# KiCad board smd0402.kicad_pcb
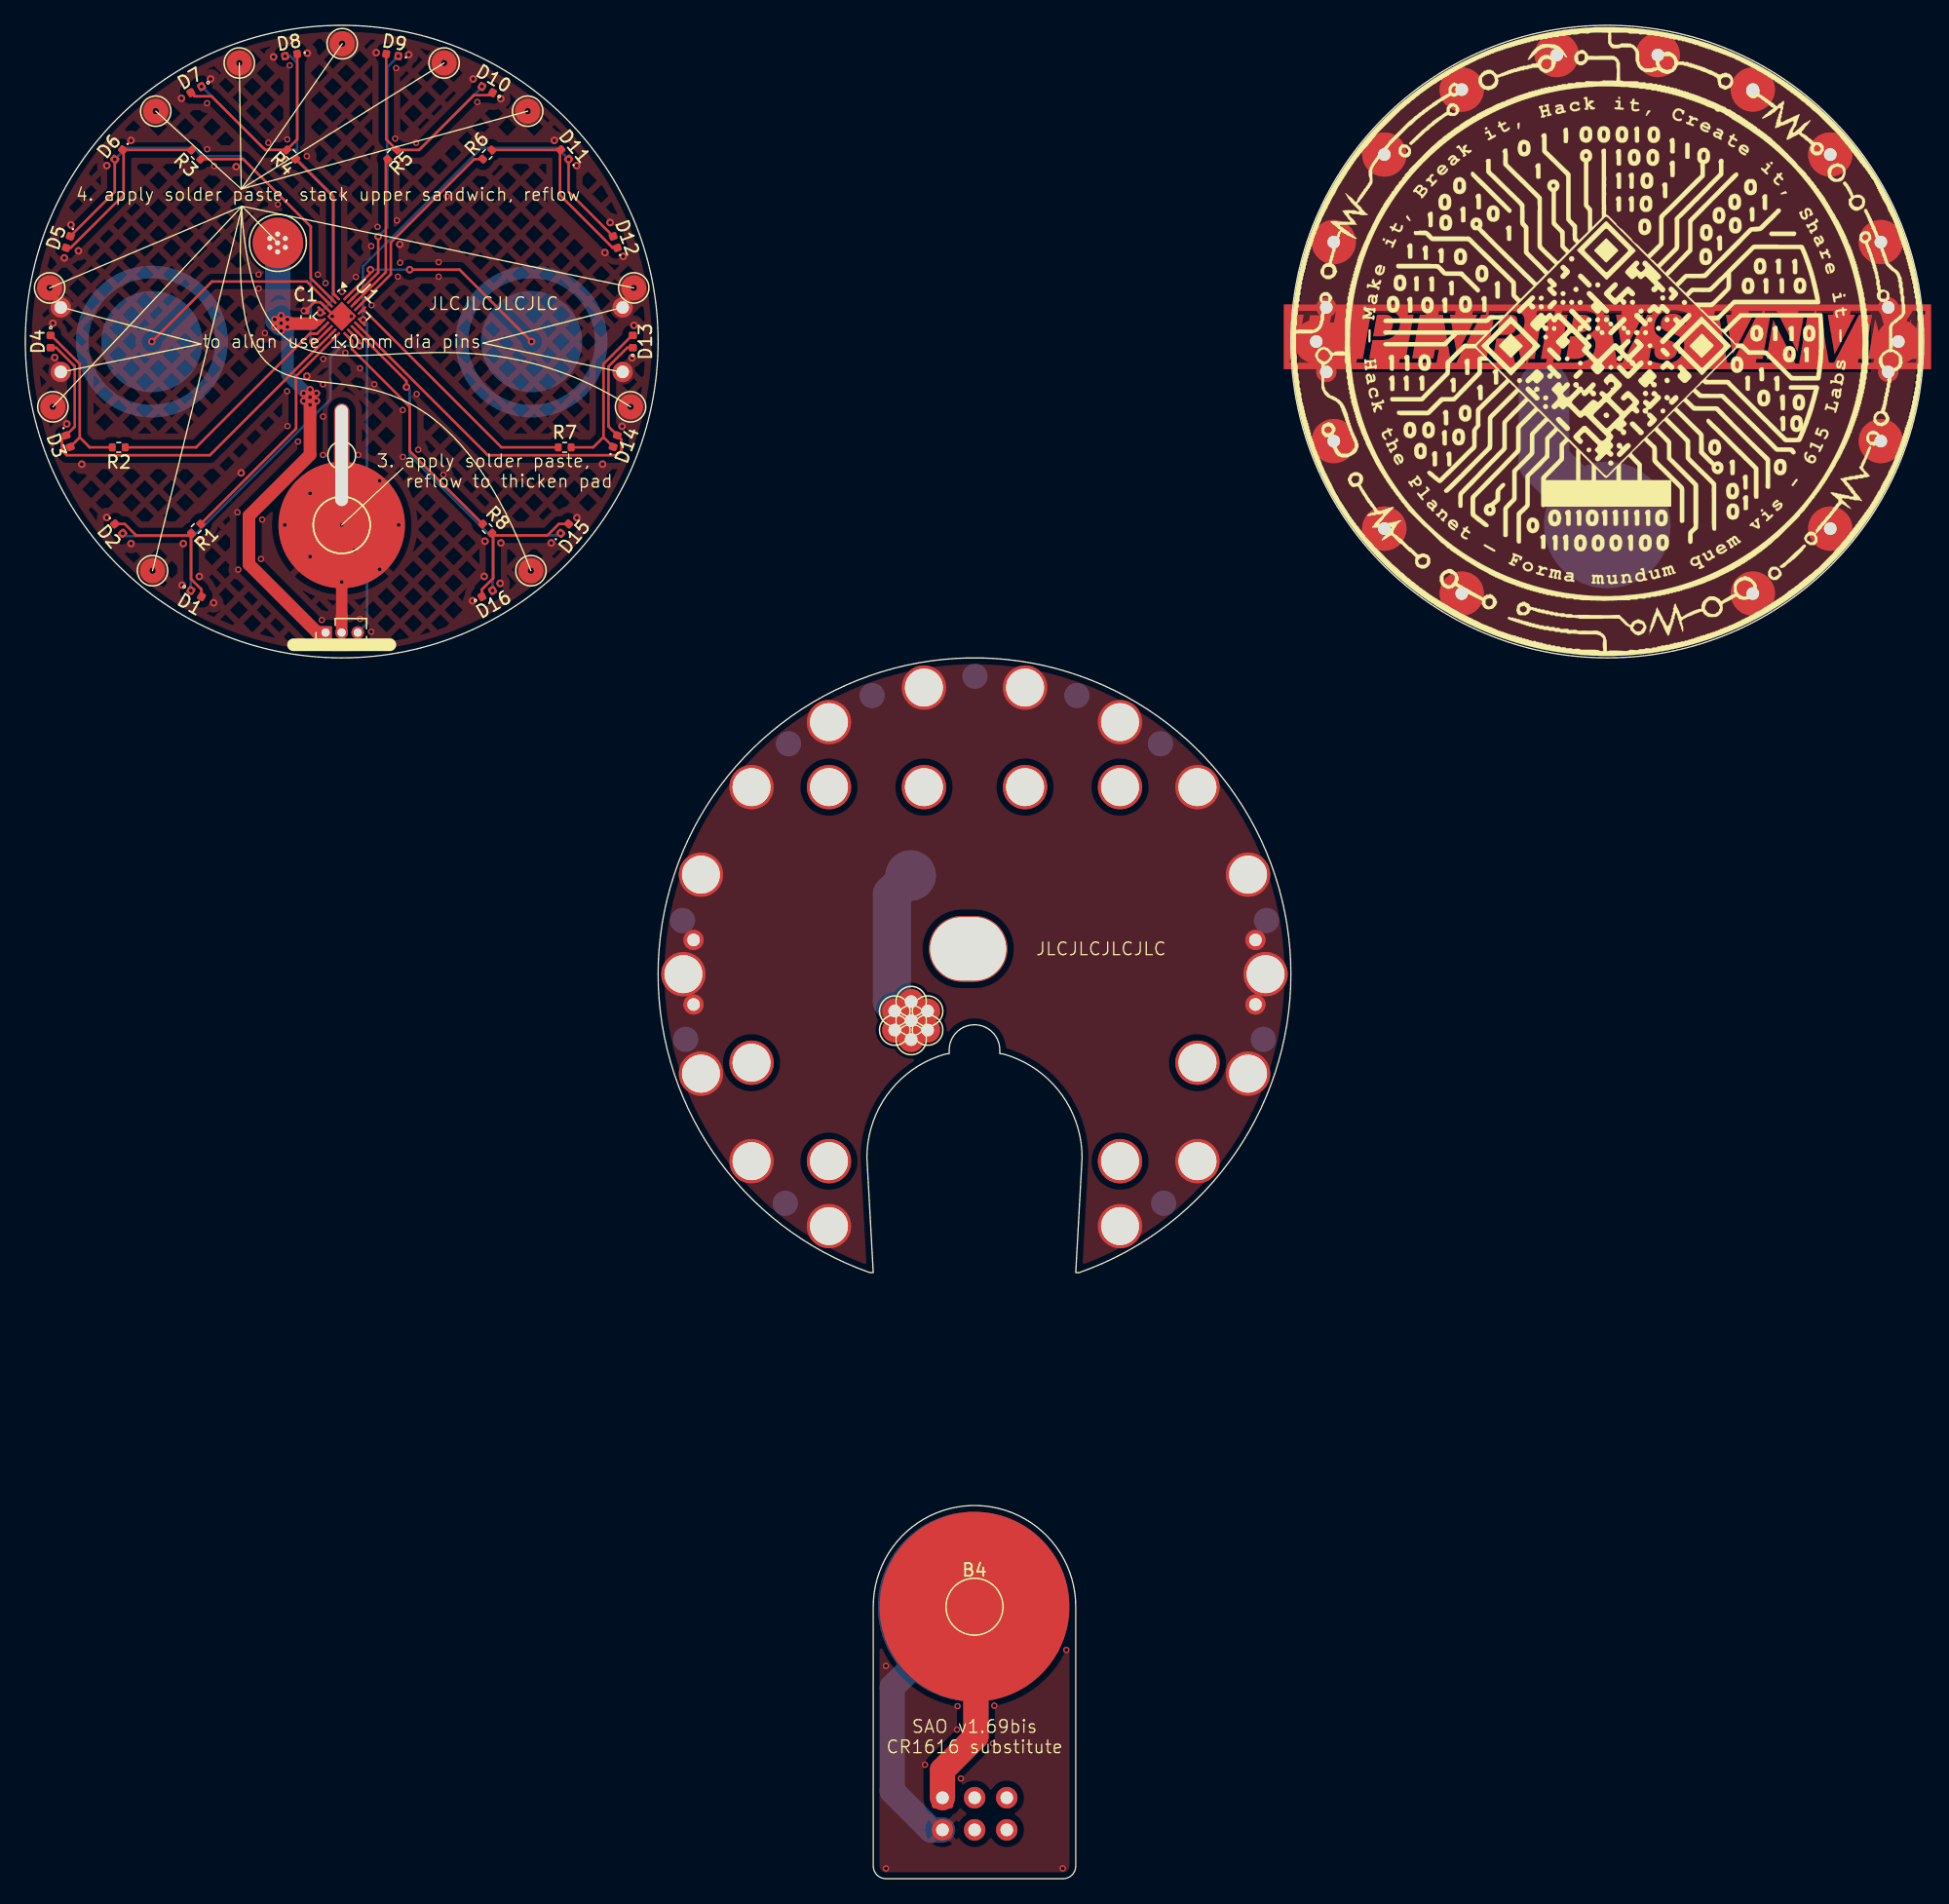
[diagram p0: board, top side]
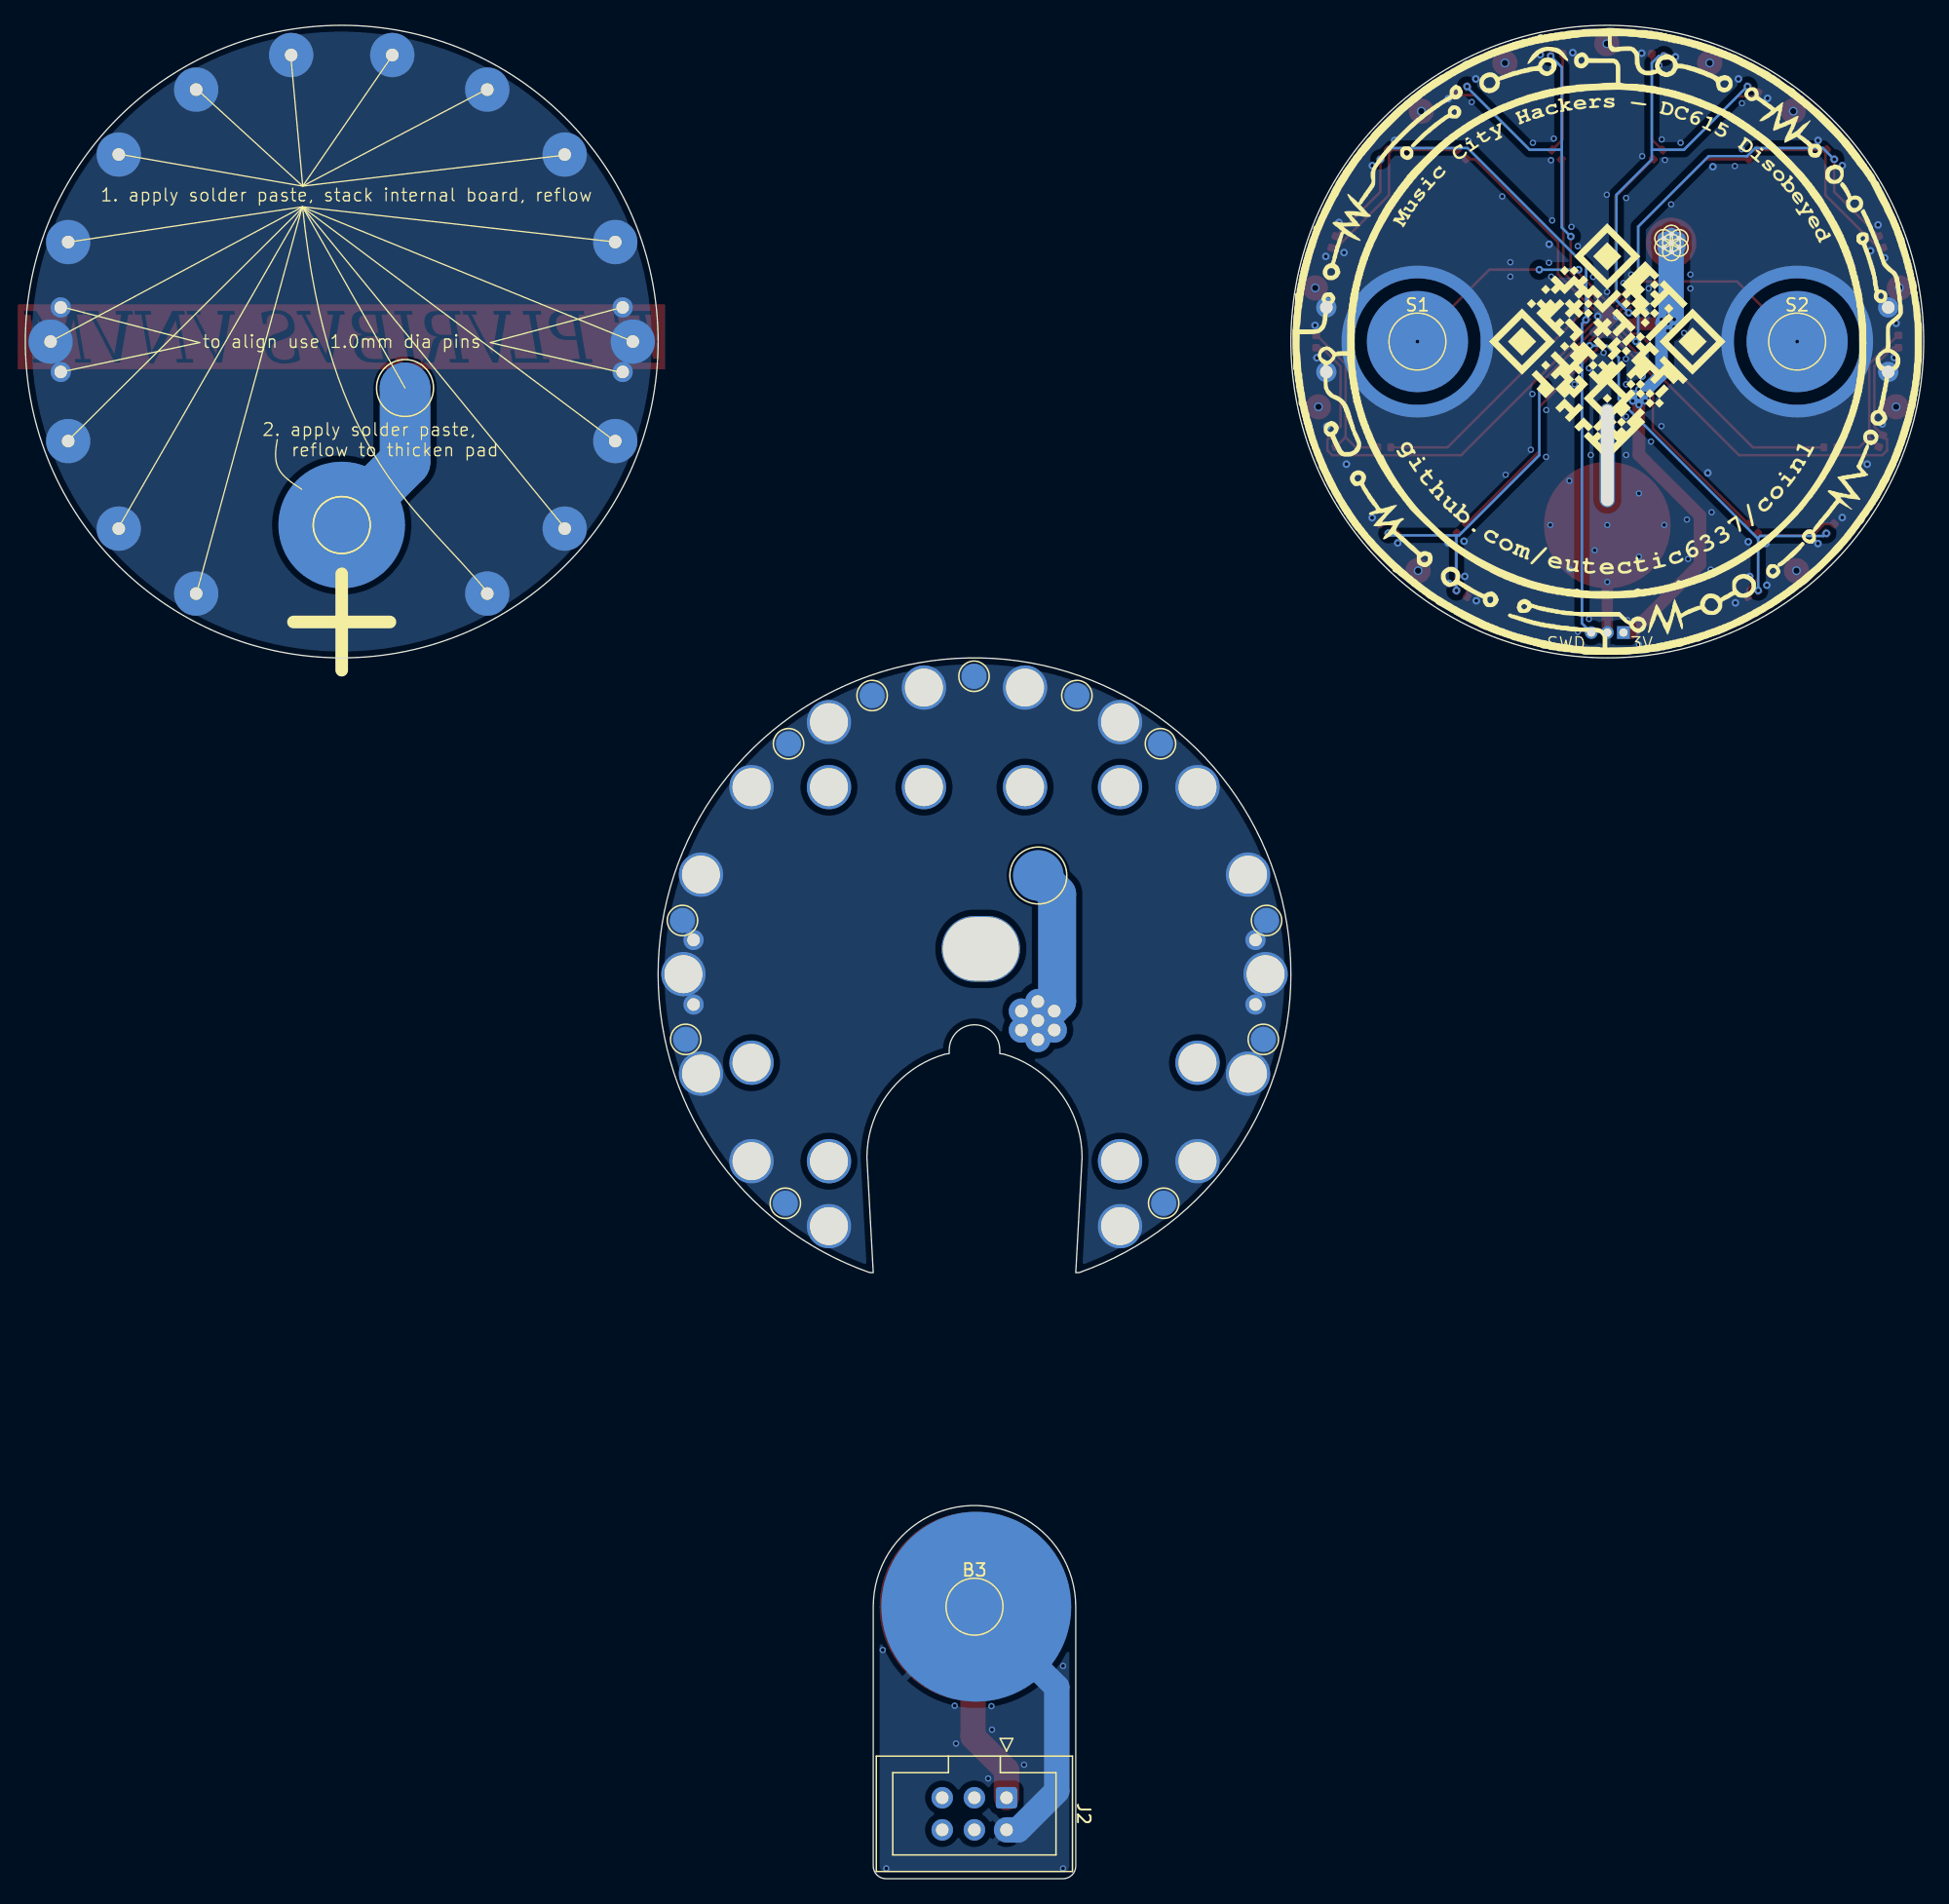
[diagram p1: board, bottom side, seen from below]

Outline 150 x 146.5 mm; copper layers: Top, Bottom. Coordinates in mm from the lower left corner of the outline.
Outline path: 74.16,29.46 74.72,29.5 75.28,29.5 75.84,29.46 76.39,29.38 76.94,29.26 77.47,29.11 78,28.92 78.51,28.69 79,28.43 79.47,28.13 79.93,27.8 80.35,27.45 80.75,27.06 81.13,26.64 81.47,26.2 81.78,25.74 82.06,25.26 82.31,24.75 82.52,24.24 82.69,23.71 82.83,23.16 82.92,22.61 82.98,22.06 83,21.5 83,1 82.98,0.8 82.92,0.62 82.83,0.44 82.71,0.29 82.56,0.17 82.38,0.08 82.2,0.02 82,0 68,0 67.8,0.02 67.62,0.08 67.44,0.17 67.29,0.29 67.17,0.44 67.08,0.62 67.02,0.8 67,1 67,21.5 67.02,22.06 67.08,22.61 67.17,23.16 67.31,23.71 67.48,24.24 67.69,24.75 67.94,25.26 68.22,25.74 68.53,26.2 68.87,26.64 69.25,27.06 69.65,27.45 70.07,27.8 70.53,28.13 71,28.43 71.49,28.69 72,28.92 72.53,29.11 73.06,29.26 73.61,29.38 closed ; 81.21,62.8 81.59,62.36 81.94,61.9 82.26,61.42 82.55,60.91 82.8,60.39 83.01,59.85 83.18,59.29 83.32,58.73 83.42,58.16 83.48,57.58 83.5,57 83,47.9 83.29,47.91 84.22,48.26 85.14,48.65 86.04,49.07 86.92,49.53 87.79,50.02 88.63,50.54 89.45,51.1 90.25,51.69 91.03,52.31 91.78,52.97 92.5,53.65 93.2,54.36 93.86,55.09 94.5,55.86 95.11,56.64 95.68,57.46 96.22,58.29 96.73,59.14 97.21,60.02 97.65,60.91 98.05,61.82 98.42,62.74 98.75,63.68 99.04,64.63 99.29,65.59 99.51,66.56 99.68,67.54 99.82,68.52 99.92,69.51 99.98,70.51 100,71.5 99.98,72.49 99.92,73.49 99.82,74.48 99.68,75.46 99.51,76.44 99.29,77.41 99.04,78.37 98.75,79.32 98.42,80.26 98.05,81.18 97.65,82.09 97.21,82.98 96.73,83.86 96.22,84.71 95.68,85.54 95.11,86.36 94.5,87.14 93.86,87.91 93.2,88.64 92.5,89.35 91.78,90.03 91.03,90.69 90.25,91.31 89.45,91.9 88.63,92.46 87.79,92.98 86.92,93.47 86.04,93.93 85.14,94.35 84.22,94.74 83.29,95.09 82.35,95.4 81.39,95.67 80.42,95.9 79.45,96.1 78.47,96.26 77.48,96.38 76.49,96.46 75.5,96.5 74.5,96.5 73.51,96.46 72.52,96.38 71.53,96.26 70.55,96.1 69.58,95.9 68.61,95.67 67.65,95.4 66.71,95.09 65.78,94.74 64.86,94.35 63.96,93.93 63.08,93.47 62.21,92.98 61.37,92.46 60.55,91.9 59.75,91.31 58.97,90.69 58.22,90.03 57.5,89.35 56.8,88.64 56.14,87.91 55.5,87.14 54.89,86.36 54.32,85.54 53.78,84.71 53.27,83.86 52.79,82.98 52.35,82.09 51.95,81.18 51.58,80.26 51.25,79.32 50.96,78.37 50.71,77.41 50.49,76.44 50.32,75.46 50.18,74.48 50.08,73.49 50.02,72.49 50,71.5 50.02,70.51 50.08,69.51 50.18,68.52 50.32,67.54 50.49,66.56 50.71,65.59 50.96,64.63 51.25,63.68 51.58,62.74 51.95,61.82 52.35,60.91 52.79,60.02 53.27,59.14 53.78,58.29 54.32,57.46 54.89,56.64 55.5,55.86 56.14,55.09 56.8,54.36 57.5,53.65 58.22,52.97 58.97,52.31 59.75,51.69 60.55,51.1 61.37,50.54 62.21,50.02 63.08,49.53 63.96,49.07 64.86,48.65 65.78,48.26 66.71,47.91 67,47.9 66.5,57 66.52,57.58 66.58,58.16 66.68,58.73 66.82,59.29 66.99,59.85 67.2,60.39 67.45,60.91 67.74,61.42 68.06,61.9 68.41,62.36 68.79,62.8 69.2,63.21 69.64,63.59 70.1,63.94 70.58,64.26 71.09,64.55 71.61,64.8 72.15,65.01 72.71,65.18 73,65.22 73,65.5 73.02,65.78 73.08,66.06 73.18,66.33 73.32,66.58 73.49,66.81 73.69,67.01 73.92,67.18 74.17,67.32 74.44,67.42 74.72,67.48 75,67.5 75.28,67.48 75.56,67.42 75.83,67.32 76.08,67.18 76.31,67.01 76.51,66.81 76.68,66.58 76.82,66.33 76.92,66.06 76.98,65.78 77,65.5 77,65.22 77.29,65.18 77.85,65.01 78.39,64.8 78.91,64.55 79.42,64.26 79.9,63.94 80.36,63.59 80.8,63.21 closed ; circle c25,121.5 r25 ; circle c125,121.5 r25

## Placement (name value [footprint] x y rotation side)
+  BAT+  [TestPoint_Pad_D4.0mm#2]  125 107 180 bottom  (not fitted)
-  BAT-  [TestPoint_Pad_D4.0mm#2]  25 107 0 top  (not fitted)
align-i1  -  [unnamed]  52.8 74.2 0 top  (not fitted)
align-i2  -  [unnamed]  97.2 74.2 0 top  (not fitted)
align-i3  -  [unnamed]  52.8 69.1 0 top  (not fitted)
align-i4  -  [unnamed]  97.2 69.1 0 top  (not fitted)
align-o1  -  [unnamed]  102.8 124.2 0 top  (not fitted)
align-o2  -  [unnamed]  147.2 124.2 0 top  (not fitted)
align-o3  -  [unnamed]  102.8 119.1 0 top  (not fitted)
align-o4  -  [unnamed]  147.2 119.1 0 top  (not fitted)
align-r1  -  [unnamed]  2.8 124.2 0 top  (not fitted)
align-r2  -  [unnamed]  47.2 124.2 0 top  (not fitted)
align-r3  -  [unnamed]  2.8 119.1 0 top  (not fitted)
align-r4  -  [unnamed]  47.2 119.1 0 top  (not fitted)
aperture-D1  -  [TestPoint_THTPad_D1.0mm_Drill0.5mm]  113.5 101.58 0 top  (not fitted)
aperture-D2  -  [TestPoint_THTPad_D1.0mm_Drill0.5mm]  107.38 106.72 0 top  (not fitted)
aperture-D3  -  [TestPoint_THTPad_D1.0mm_Drill0.5mm]  103.39 113.63 0 top  (not fitted)
aperture-D4  -  [TestPoint_THTPad_D1.0mm_Drill0.5mm]  102 121.5 0 top  (not fitted)
aperture-D5  -  [TestPoint_THTPad_D1.0mm_Drill0.5mm]  103.39 129.37 0 top  (not fitted)
aperture-D6  -  [TestPoint_THTPad_D1.0mm_Drill0.5mm]  107.38 136.28 0 top  (not fitted)
aperture-D7  -  [TestPoint_THTPad_D1.0mm_Drill0.5mm]  113.5 141.42 0 top  (not fitted)
aperture-D8  -  [TestPoint_THTPad_D1.0mm_Drill0.5mm]  121.01 144.15 0 top  (not fitted)
aperture-D9  -  [TestPoint_THTPad_D1.0mm_Drill0.5mm]  128.99 144.15 0 top  (not fitted)
aperture-D10  -  [TestPoint_THTPad_D1.0mm_Drill0.5mm]  136.5 141.42 0 top  (not fitted)
aperture-D11  -  [TestPoint_THTPad_D1.0mm_Drill0.5mm]  142.62 136.28 0 top  (not fitted)
aperture-D12  -  [TestPoint_THTPad_D1.0mm_Drill0.5mm]  146.61 129.37 0 top  (not fitted)
aperture-D13  -  [TestPoint_THTPad_D1.0mm_Drill0.5mm]  148 121.5 0 top  (not fitted)
aperture-D14  -  [TestPoint_THTPad_D1.0mm_Drill0.5mm]  146.61 113.63 0 top  (not fitted)
aperture-D15  -  [TestPoint_THTPad_D1.0mm_Drill0.5mm]  142.62 106.72 0 top  (not fitted)
aperture-D16  -  [TestPoint_THTPad_D1.0mm_Drill0.5mm]  136.5 101.58 0 top  (not fitted)
B1  BAT-  [TestPoint_Pad_D4.0mm]  25 107 0 top  (not fitted)
B2  BAT+  [TestPoint_Pad_D4.0mm]  125 107 180 bottom  (not fitted)
B3  BAT-  [TestPoint_Pad_D4.0mm]  75 21.5 180 bottom  (not fitted)
B4  BAT+  [TestPoint_Pad_D4.0mm]  75 21.5 0 top  (not fitted)
battery-eject1  TestPoint_THTPad_3.0x3.0mm_Drill1.5mm  [TestPoint_THTPad_3.0x3.0mm_Drill1.5mm#3]  25 112.5 0 top
C1  1uF  [C_0402_1005Metric]  22.15 123.45 90 top
clearance-D1  -  [TestPoint_THTPad_3.0x3.0mm_Drill1.5mm]  63.5 51.58 0 top  (not fitted)
clearance-D2  -  [TestPoint_THTPad_3.0x3.0mm_Drill1.5mm]  57.38 56.72 0 top  (not fitted)
clearance-D3  -  [TestPoint_THTPad_3.0x3.0mm_Drill1.5mm]  53.39 63.63 0 top  (not fitted)
clearance-D4  -  [TestPoint_THTPad_3.0x3.0mm_Drill1.5mm]  52 71.5 0 top  (not fitted)
clearance-D5  -  [TestPoint_THTPad_3.0x3.0mm_Drill1.5mm]  53.39 79.37 0 top  (not fitted)
clearance-D6  -  [TestPoint_THTPad_3.0x3.0mm_Drill1.5mm]  57.38 86.28 0 top  (not fitted)
clearance-D7  -  [TestPoint_THTPad_3.0x3.0mm_Drill1.5mm]  63.5 91.42 0 top  (not fitted)
clearance-D8  -  [TestPoint_THTPad_3.0x3.0mm_Drill1.5mm]  71.01 94.15 0 top  (not fitted)
clearance-D9  -  [TestPoint_THTPad_3.0x3.0mm_Drill1.5mm]  78.99 94.15 0 top  (not fitted)
clearance-D10  -  [TestPoint_THTPad_3.0x3.0mm_Drill1.5mm]  86.5 91.42 0 top  (not fitted)
clearance-D11  -  [TestPoint_THTPad_3.0x3.0mm_Drill1.5mm]  92.62 86.28 0 top  (not fitted)
clearance-D12  -  [TestPoint_THTPad_3.0x3.0mm_Drill1.5mm]  96.61 79.37 0 top  (not fitted)
clearance-D13  -  [TestPoint_THTPad_3.0x3.0mm_Drill1.5mm]  98 71.5 0 top  (not fitted)
clearance-D14  -  [TestPoint_THTPad_3.0x3.0mm_Drill1.5mm]  96.61 63.63 0 top  (not fitted)
clearance-D15  -  [TestPoint_THTPad_3.0x3.0mm_Drill1.5mm]  92.62 56.72 0 top  (not fitted)
clearance-D16  -  [TestPoint_THTPad_3.0x3.0mm_Drill1.5mm]  86.5 51.58 0 top  (not fitted)
clearance-R1  TestPoint_THTPad_3.0x3.0mm_Drill1.5mm  [TestPoint_THTPad_3.0x3.0mm_Drill1.5mm#4]  63.5 56.72 0 top  (not fitted)
clearance-R2  TestPoint_THTPad_3.0x3.0mm_Drill1.5mm  [TestPoint_THTPad_3.0x3.0mm_Drill1.5mm#4]  57.38 64.5 0 top  (not fitted)
clearance-R3  TestPoint_THTPad_3.0x3.0mm_Drill1.5mm  [TestPoint_THTPad_3.0x3.0mm_Drill1.5mm#4]  63.5 86.28 0 top  (not fitted)
clearance-R4  TestPoint_THTPad_3.0x3.0mm_Drill1.5mm  [TestPoint_THTPad_3.0x3.0mm_Drill1.5mm#4]  71.01 86.28 0 top  (not fitted)
clearance-R5  TestPoint_THTPad_3.0x3.0mm_Drill1.5mm  [TestPoint_THTPad_3.0x3.0mm_Drill1.5mm#4]  78.99 86.28 0 top  (not fitted)
clearance-R6  TestPoint_THTPad_3.0x3.0mm_Drill1.5mm  [TestPoint_THTPad_3.0x3.0mm_Drill1.5mm#4]  86.5 86.28 0 top  (not fitted)
clearance-R7  TestPoint_THTPad_3.0x3.0mm_Drill1.5mm  [TestPoint_THTPad_3.0x3.0mm_Drill1.5mm#4]  92.62 64.5 0 top  (not fitted)
clearance-R8  TestPoint_THTPad_3.0x3.0mm_Drill1.5mm  [TestPoint_THTPad_3.0x3.0mm_Drill1.5mm#4]  86.5 56.72 0 top  (not fitted)
clearance-U1  TestPoint_THTPad_3.0x3.0mm_Drill1.5mm  [TestPoint_THTPad_3.0x3.0mm_Drill1.5mm#2]  74.5 73.5 0 top  (not fitted)
contact-i1  -  [TestPoint_Pad_D4.0mm]  69.96 79.3 180 bottom  (not fitted)
contact-o1  -  [TestPoint_Pad_D4.0mm]  120 117.83 180 bottom  (not fitted)
contact-r1  -  [TestPoint_Pad_D4.0mm]  19.96 129.3 180 top  (not fitted)
D1  LED  [LED_0402_1005Metric]  13.5 101.58 330 top
D2  LED  [LED_0402_1005Metric]  7.38 106.72 310 top
D3  LED  [LED_0402_1005Metric]  3.39 113.63 290 top
D4  LED  [LED_0402_1005Metric]  2 121.5 270 top
D5  LED  [LED_0402_1005Metric]  3.39 129.37 250 top
D6  LED  [LED_0402_1005Metric]  7.38 136.28 230 top
D7  LED  [LED_0402_1005Metric]  13.5 141.42 210 top
D8  LED  [LED_0402_1005Metric]  21.01 144.15 190 top
D9  LED  [LED_0402_1005Metric]  28.99 144.15 170 top
D10  LED  [LED_0402_1005Metric]  36.5 141.42 150 top
D11  LED  [LED_0402_1005Metric]  42.62 136.28 130 top
D12  LED  [LED_0402_1005Metric]  46.61 129.37 110 top
D13  LED  [LED_0402_1005Metric]  48 121.5 90 top
D14  LED  [LED_0402_1005Metric]  46.61 113.63 70 top
D15  LED  [LED_0402_1005Metric]  42.62 106.72 50 top
D16  LED  [LED_0402_1005Metric]  36.5 101.58 30 top
J1  Conn_01x03  [PinHeader_1x03_P1.27mm_Vertical]  23.73 98.5 90 top  (not fitted)
J2  SAO v1.69bis addon  [IDC-Header_2x03_P2.54mm_Vertical]  72.47 6.4 270 bottom
R1  22R  [R_0402_1005Metric]  13.5 106.72 225 top
R2  22R  [R_0402_1005Metric]  7.38 113.14 180 top
R3  22R  [R_0402_1005Metric]  13.5 136.28 135 top
R4  22R  [R_0402_1005Metric]  21.01 136.28 135 top
R5  22R  [R_0402_1005Metric]  28.99 136.28 45 top
R6  22R  [R_0402_1005Metric]  36.5 136.28 45 top
R7  22R  [R_0402_1005Metric]  42.62 113.14 0 top
R8  22R  [R_0402_1005Metric]  36.5 106.72 315 top
S1  touch  [TestPoint_Pad_D4.0mm#3]  40 121.5 180 bottom  (not fitted)
S2  touch  [TestPoint_Pad_D4.0mm#3]  10 121.5 180 bottom  (not fitted)
SAO-P1  -  [unnamed#3]  75 21.5 180 bottom
SAO-P2  -  [unnamed#2]  75 21.5 180 bottom
solder1  -  [TestPoint_Pad_D1.0mm]  19.93 129.3 180 bottom
solder2  -  [TestPoint_Pad_D1.0mm]  19.93 130 180 bottom
solder3  -  [TestPoint_Pad_D1.0mm]  20.54 129.65 180 bottom
solder4  -  [TestPoint_Pad_D1.0mm]  20.54 128.94 180 bottom
solder5  -  [TestPoint_Pad_D1.0mm]  19.93 128.59 180 bottom
solder6  -  [TestPoint_Pad_D1.0mm]  19.32 128.94 180 bottom
solder7  -  [TestPoint_Pad_D1.0mm]  19.32 129.65 180 bottom
stitch1  -  [TestPoint_Pad_D2.0mm]  1.92 125.74 0 top  (not fitted)
stitch1#2  -  [TestPoint_Pad_D2.0mm]  16.91 143.52 0 top  (not fitted)
stitch1#3  -  [TestPoint_Pad_D2.0mm]  2.18 116.34 0 top  (not fitted)
stitch1#4  -  [TestPoint_Pad_D2.0mm]  10.31 139.71 0 top  (not fitted)
stitch1#5  -  [TestPoint_Pad_D2.0mm]  10.05 103.39 0 top  (not fitted)
stitch1#6  -  [TestPoint_Pad_D2.0mm]  39.95 103.39 0 top  (not fitted)
stitch1#7  -  [TestPoint_Pad_D2.0mm]  48.08 125.74 0 top  (not fitted)
stitch1#8  -  [TestPoint_Pad_D2.0mm]  39.69 139.71 0 top  (not fitted)
stitch1#9  -  [TestPoint_Pad_D2.0mm]  47.82 116.34 0 top  (not fitted)
stitch1#10  -  [TestPoint_Pad_D2.0mm]  33.09 143.52 0 top  (not fitted)
stitch1#11  -  [TestPoint_Pad_D2.0mm]  25.04 145.05 0 top  (not fitted)
stitch2  -  [TestPoint_Pad_D2.0mm]  89.95 53.39 180 bottom
stitch2#2  -  [TestPoint_Pad_D2.0mm]  75.04 95.05 180 bottom
stitch2#3  -  [TestPoint_Pad_D2.0mm]  97.82 66.34 180 bottom
stitch2#4  -  [TestPoint_Pad_D2.0mm]  60.31 89.71 180 bottom
stitch2#5  -  [TestPoint_Pad_D2.0mm]  89.69 89.71 180 bottom
stitch2#6  -  [TestPoint_Pad_D2.0mm]  66.91 93.52 180 bottom
stitch2#7  -  [TestPoint_Pad_D2.0mm]  98.08 75.74 180 bottom
stitch2#8  -  [TestPoint_Pad_D2.0mm]  51.92 75.74 180 bottom
stitch2#9  -  [TestPoint_Pad_D2.0mm]  83.09 93.52 180 bottom
stitch2#10  -  [TestPoint_Pad_D2.0mm]  52.18 66.34 180 bottom
stitch2#11  -  [TestPoint_Pad_D2.0mm]  60.05 53.39 180 bottom
through-i1  -  [TestPoint_THTPad_D2.0mm_Drill1.0mm]  70 67.83 0 top  (not fitted)
through-i2  -  [TestPoint_THTPad_D2.0mm_Drill1.0mm]  70 69.33 0 top  (not fitted)
through-i3  -  [TestPoint_THTPad_D2.0mm_Drill1.0mm]  71.3 68.58 300 top  (not fitted)
through-i4  -  [TestPoint_THTPad_D2.0mm_Drill1.0mm]  71.3 67.08 240 top  (not fitted)
through-i5  -  [TestPoint_THTPad_D2.0mm_Drill1.0mm]  70 66.33 180 top  (not fitted)
through-i6  -  [TestPoint_THTPad_D2.0mm_Drill1.0mm]  68.7 67.08 120 top  (not fitted)
through-i7  -  [TestPoint_THTPad_D2.0mm_Drill1.0mm]  68.7 68.58 60 top  (not fitted)
U1  CH32V003F4U6  [QFN-20-1EP_3x3mm_P0.4mm_EP1.65x1.65mm]  25 123.5 315 top

## Library data of the parts
+ - B1-B4 S1 S2 = -: Description: test point; ki_fp_filters: Pin* Test*
C1 = -: Datasheet: https://jlcpcb.com/api/file/downloadByFileSystemAccessId/8579705910383595520; Description: Unpolarized capacitor; JLC: C25092; ki_fp_filters: C_*
D1-D16 = -: Datasheet: https://www.lcsc.com/datasheet/lcsc_datasheet_2402181505_XINGLIGHT-XL-1005SURC_C965790.pdf; Description: Light emitting diode; LCSC: C965790; ki_fp_filters: LED* LED_SMD:* LED_THT:*
J1 = -: Description: Generic connector, single row, 01x03, script generated (kicad-library-utils/schlib/autogen/connector/); ki_fp_filters: Connector*:*_1x??_*
J2 = -: Datasheet: https://hackaday.com/2019/03/20/introducing-the-shitty-add-on-v1-69bis-standard/
R1-R8 = -: Datasheet: https://jlcpcb.com/api/file/downloadByFileSystemAccessId/8602999349706444800; Description: Resistor; JLC: C7496803; ki_fp_filters: R_*
U1 = -: Datasheet: https://www.wch-ic.com/downloads/CH32V003DS0_PDF.html; Description: industrial-grade general-purpose microcontroller; LCSC: C5299908; JLC: C5299908; ki_fp_filters: DIP*W7.62mm* PDIP*W7.62mm*

## Footprints (pads in the part's own frame, mm; a bottom-side part is the same pattern mirrored in y, then rotated)
C_0402_1005Metric
  rrect 0.56x0.62 smd: 1(-0.48,0) 2(0.48,0)
IDC-Header_2x03_P2.54mm_Vertical
  rrect 1.7x1.7 hole 1: 1(0,0)
  round 1.7 hole 1: 2(2.54,0) 3(0,-2.54) 4(2.54,-2.54) 5(0,-5.08) 6(2.54,-5.08)
LED_0402_1005Metric
  rrect 0.59x0.64 smd: 1(-0.485,0) 2(0.485,0)
PinHeader_1x03_P1.27mm_Vertical
  rect 1x1 hole 0.65: 1(0,0)
  oval 1x1 hole 0.65: 2(0,-1.27) 3(0,-2.54)
QFN-20-1EP_3x3mm_P0.4mm_EP1.65x1.65mm
  rrect 0.67x0.67 smd: (-0.41,0.41) (-0.41,-0.41) (0.41,0.41) (0.41,-0.41)
  rrect 0.85x0.2 smd: 1(-1.45,0.8) 2(-1.45,0.4) 3(-1.45,0) 4(-1.45,-0.4) 5(-1.45,-0.8) 11(1.45,-0.8) 12(1.45,-0.4) 13(1.45,0) 14(1.45,0.4) 15(1.45,0.8)
  rrect 0.2x0.85 smd: 6(-0.8,-1.45) 7(-0.4,-1.45) 8(0,-1.45) 9(0.4,-1.45) 10(0.8,-1.45) 16(0.8,1.45) 17(0.4,1.45) 18(0,1.45) 19(-0.4,1.45) 20(-0.8,1.45)
  rect 1.65x1.65 smd: 21(0,0)
R_0402_1005Metric
  rrect 0.54x0.64 smd: 1(-0.51,0) 2(0.51,0)
TestPoint_Pad_D1.0mm
  round 1 hole 0.4: 1(0,0)
TestPoint_Pad_D2.0mm
  round 2 smd: 1(0,0)
TestPoint_Pad_D4.0mm
  round 4 smd: 1(0,0)
TestPoint_Pad_D4.0mm#2
  round 10 smd: 1(0,0)
TestPoint_Pad_D4.0mm#3
  oval 8x8 smd: 1(0,0)
TestPoint_THTPad_3.0x3.0mm_Drill1.5mm
  round 3.5 hole 3: 1(0,0)
TestPoint_THTPad_3.0x3.0mm_Drill1.5mm#2
  oval 6.2x5.2 hole 6x5 unplated: (0,0)
TestPoint_THTPad_3.0x3.0mm_Drill1.5mm#3
  oval 1.2x8.2 hole 1x8 unplated: (0,0)
TestPoint_THTPad_3.0x3.0mm_Drill1.5mm#4
  round 3.5 hole 3 unplated: (0,0)
TestPoint_THTPad_D1.0mm_Drill0.5mm
  round 3.5 hole 1: 1(0,0)
TestPoint_THTPad_D2.0mm_Drill1.0mm
  round 2 hole 1: 1(0,0)
unnamed
  round 1.6 hole 1: 1(0,0)
unnamed#3
  round 15 smd far side: 1(0,0)
unnamed#2
  round 15 smd: 1(0.14,0)

## Nets
+3V0: +.1 B2.1 B4.1 C1.1 contact-i1.1 contact-o1.1 contact-r1.1 J1.1 J2.1 SAO-P1.1 solder1.1 solder2.1 solder3.1 solder4.1 solder5.1 solder6.1 solder7.1 through-i1.1 through-i2.1 through-i3.1 through-i4.1 through-i5.1 through-i6.1 through-i7.1 U1.6
GND: -.1 align-i1.1 align-i2.1 align-i3.1 align-i4.1 align-o1.1 align-o2.1 align-o3.1 align-o4.1 align-r1.1 align-r2.1 align-r3.1 align-r4.1 aperture-D1.1 aperture-D2.1 aperture-D3.1 aperture-D4.1 aperture-D5.1 aperture-D6.1 aperture-D7.1 aperture-D8.1 aperture-D9.1 aperture-D10.1 aperture-D11.1 aperture-D12.1 aperture-D13.1 aperture-D14.1 aperture-D15.1 aperture-D16.1 B1.1 B3.1 C1.2 clearance-D1.1 clearance-D2.1 clearance-D3.1 clearance-D4.1 clearance-D5.1 clearance-D6.1 clearance-D7.1 clearance-D8.1 clearance-D9.1 clearance-D10.1 clearance-D11.1 clearance-D12.1 clearance-D13.1 clearance-D14.1 clearance-D15.1 clearance-D16.1 J1.2 J2.2 SAO-P2.1 stitch1.1 stitch1#2.1 stitch1#3.1 stitch1#4.1 stitch1#5.1 stitch1#6.1 stitch1#7.1 stitch1#8.1 stitch1#9.1 stitch1#10.1 stitch1#11.1 stitch2.1 stitch2#2.1 stitch2#3.1 stitch2#4.1 stitch2#5.1 stitch2#6.1 stitch2#7.1 stitch2#8.1 stitch2#9.1 stitch2#10.1 stitch2#11.1 U1.4 U1.21
/touch1: S1.1 U1.20
/touch2: S2.1 U1.3
GP1: D1.1 D2.2 U1.12
GP2: D3.1 D4.2 U1.9
GP3: D5.1 D6.2 U1.8
GP4: D7.1 D8.2 U1.5
GP5: D9.1 D10.2 U1.19
GP6: D11.1 D12.2 J1.3 U1.15
GP7: D13.1 D14.2 U1.14
GP8: D15.1 D16.2 U1.13
PWM1: R1.1 U1.10
PWM2: R2.1 U1.7
PWM3: R3.1 U1.2
PWM4: R4.1 U1.1
PWM5: R5.1 U1.18
PWM6: R6.1 U1.17
PWM7: R7.1 U1.16
PWM8: R8.1 U1.11
Net-(D1-A): D1.2 D2.1 R1.2
Net-(D3-A): D3.2 D4.1 R2.2
Net-(D5-A): D5.2 D6.1 R3.2
Net-(D7-A): D7.2 D8.1 R4.2
Net-(D10-K): D9.2 D10.1 R5.2
Net-(D11-A): D11.2 D12.1 R6.2
Net-(D13-A): D13.2 D14.1 R7.2
Net-(D15-A): D15.2 D16.1 R8.2

Pads without a net: J2 3 4 5 6

## Via types
v1: diameter 0.6, hole 0.3, Top to Bottom, 80 vias
v2: diameter 0.5, hole 0.3, Top to Bottom, 78 vias
v3: diameter 0.7, hole 0.5, Top to Bottom, 11 vias

## Routing (per net, layer and track width the routed paths; a pad name or vN(x,y) marks a point on that pad's centre or on a via; arc(x,y) is an arc through that point)
+3V0: length 85.1
  Top w0.3: 23.41,123.13 22.15,123.13 ; 23.13,122.95 21.87,122.95
  Top w1: v1(22.5,117.11) 22.5,112.56 17.67,107.73 17.67,103.9 23.07,98.5 J1.1 ; 22.7,122.92 20.24,122.92 v1(20.21,122.95)
  Top w2: B4.1 75.11,21.39 75.11,11.23 72.47,8.58 J2.1
  Bottom w0.3: through-i2.1 through-i1.1
  Bottom w1: v1(22.5,117.11) 20.72,118.88 20.72,122.44 v1(20.21,122.95)
  Bottom w2: v1(20.21,122.95) 19.96,123.2 contact-r1.1
  Bottom w3: through-i1.1 68.47,69.35 68.47,77.81 contact-i1.1
  Bottom w4: +.1 120,112 contact-o1.1
  vias: v1(19.71,123.25) v1(19.71,122.65) v1(20.21,123.55) v1(20.21,122.35) v1(20.71,123.25) v1(20.71,122.65) v1(22,117.41) v1(22,116.81) v1(22.5,117.71) v1(22.5,116.51) v1(23,117.41) v1(23,116.81)
GND: length 41.4
  Top w0.2: v1(24.25,123.5) 24.25,123.68 U1.4 23.32,124.61 22.83,124.61 C1.2
  Top w0.9: J1.2 25,98.5 25,99.83 25,99.83 25,99.84 v2(25,107) 25,114.5
  Bottom w2: SAO-P2.1 68.5,15.14 68.5,6.92 71.56,3.86 J2.2
  vias: v1(2.18,122.95) v1(2.32,120.24) v1(3.08,128.12) v1(3.28,114.99) v1(3.61,130.72) v1(4.2,128.67) v1(4.46,111.81) v1(6.44,135.41) v1(6.44,107.59) v1(8.35,137.4) v1(8.36,105.53) v1(12.34,140.73) v1(12.4,102.24) v1(12.48,105.53) v1(13.75,102.93) v1(13.86,105.68) v1(14.64,142.26) v1(14.88,100.85) v1(16.66,135.32) v1(17.05,111.12) v1(19.62,144) v1(22.25,118.77) v1(22.28,144.3) v1(25.75,123.5) v1(27.73,144.34) v1(29.59,129.19) v1(30.29,144.18) v1(35.35,101.01) v1(35.39,142.26) v1(36.32,105.72) v1(36.26,102.94) v1(37.52,102.39) v1(37.56,140.7) v1(37.58,105.58) v1(41.55,105.58) v1(41.8,137.4) v1(43.56,135.41) v1(43.58,107.58) v1(45.61,111.81) v1(45.8,128.54) v1(46.21,130.91) v1(47.24,128.23) v1(47.15,114.8) v1(47.94,120.22) v1(48.09,122.78) v2(14.36,140.34) v2(14.37,136.71) v2(14.93,135.37) v2(16.76,108.01) v2(16.82,103.47) v2(18.43,126.8) v2(18.43,125.7) v2(18.62,104.32) v2(18.71,107.43) v2(18.93,122.18) v2(19.2,137.21) v2(19.96,132.35) v2(20.45,135.86) v2(20.5,107) v2(20.7,137.48) v2(20.68,117.58) v2(20.72,114.82) v2(20.89,143.34) v2(21.55,113.6) v2(21.74,125.7) v2(22.01,123.93) v2(22.24,136.16) v2(22.5,109.5) v2(22.5,104.5) v2(22.5,97.55) v2(23.11,126.8) v2(23.42,99.49) v2(23.51,132.85) v2(23.54,120.13) v2(23.51,118.12) v2(23.52,115.57) v2(23.51,112.53) v2(23.73,126.12) v2(25.04,133.11) v2(25.02,125.43) v2(25,102.5) v2(25.29,120.62) v2(26,105) v2(26.12,126.61) v2(26.31,112.53) v2(26.45,119.39) v2(26.45,99.58) v2(27.33,129.04) v2(27.32,98.56) v2(27.36,124.38) v2(27.58,118.12) v2(27.83,130.57) v2(28,110.5) v2(28,103.5) v2(29.23,137.55) v2(29.3,143.12) v2(29.45,135.83) v2(29.36,131.08) v2(29.43,126.63) v2(29.5,107) v2(29.61,127.73) v2(29.82,116.09) v2(29.84,112.38) v2(30.88,137.21) v2(30.92,117.36) v2(31.04,112.95) v2(32.66,127.77) v2(32.66,126.63) v2(33.03,110.98) v2(33.3,132.97) v2(35.71,140.43) v2(35.96,137.35) v2(68,16.81) v2(68,0.81) v2(71.08,9.01) v2(73.62,11.78) v2(73.66,13.64) v2(73.92,7.92) v2(76.46,10.69) v2(76.56,13.67) v2(81.97,0.81) v2(82.25,18.08) v3(1.92,125.74) v3(2.18,116.34) v3(10.05,103.39) v3(10.31,139.71) v3(16.91,143.52) v3(25.04,145.05) v3(33.09,143.52) v3(39.69,139.71) v3(39.95,103.39) v3(47.82,116.34) v3(48.08,125.74)
/touch1: length 17.9
  Top w0.2: v1(27.27,127.18) 27.27,126.9 U1.20 ; v1(40,121.5) 34.32,127.18 v1(30.37,127.18)
  Bottom w0.2: v1(27.27,127.18) v1(30.37,127.18)
/touch2: length 16.7
  Top w0.2: U1.3 22.25,126.25 14.75,126.25 v1(10,121.5)
GP1: length 32.5
  Top w0.2: U1.12 26.4,121.53 v1(26.4,121.17) ; 7.7,106.36 v1(7.69,106.34)
  Bottom w0.2: 13.08,105.97 13.14,105.97 24.1,116.93 24.1,120.23 25.04,121.17 v1(26.4,121.17) ; 13.08,105.97 v1(13.08,101.82) ; 13.08,105.97 12.92,106.13 7.9,106.13 v1(7.69,106.34)
GP2: length 35.1
  Top w0.2: U1.9 14.59,112.52 3.26,112.52 2.89,112.89 2.89,113.76 D3.1 3.9,114.77 3.9,119.56 2.44,121.02 D4.2
GP3: length 37
  Top w0.2: v1(22.72,121.51) 23.01,121.51 U1.8 ; 3.65,129.73 D5.1 7.07,133.34 v1(7.07,135.9) D6.2 7.02,135.86
  Bottom w0.2: v1(7.07,135.9) 7.97,136.8 13.31,136.8 13.95,136.16 16.99,136.16 22.56,130.59 22.56,121.67 v1(22.72,121.51)
GP4: length 32.4
  Top w0.2: v1(23.31,123.78) 23.31,123.86 U1.5 ; 20.5,144.03 v1(20.53,144.07)
  Bottom w0.2: v1(23.31,123.78) 24.28,124.75 24.28,133.11 21.48,135.9 21.48,143.52 20.94,144.07 v1(20.53,144.07) ; v1(13.92,141.66) 13.94,141.66 18.94,136.66 21.48,136.66
GP5: length 30.5
  Top w0.2: 29.5,144.03 v1(29.47,144.07) 29.53,144.07 ; U1.19 27.88,126.95 v1(27.88,129.81)
  Bottom w0.2: v1(29.47,144.07) 28.59,143.19 28.59,130.52 v1(27.88,129.81) ; v1(36.08,141.66) 36.08,141.61 31.13,136.66 28.59,136.66
GP6: length 57.6
  Top w0.2: D11.1 v1(42.93,135.9) 42.93,133.34 D12.2 46.35,129.73
  Bottom w0.2: J1.3 27,99.23 27,122.91 v1(26.69,123.22) 26.67,123.25 26.67,127.43 36.04,136.8 42.03,136.8 v1(42.93,135.9)
GP7: length 34.8
  Top w0.2: U1.14 36.55,112.52 46.74,112.52 47.11,112.89 47.11,113.76 D14.2 46.08,114.79 46.08,119.54 47.56,121.02 D13.1
GP8: length 30.8
  Top w0.2: U1.13 30.12,118.38 v1(30.12,117.91) ; v1(42.3,106.36) D15.1 ; 36.86,101.88 v1(36.92,101.82)
  Bottom w0.2: v1(42.3,106.36) 42.13,106.18 36.92,106.18 ; 36.92,106.18 36.71,106.18 30.37,112.52 30.37,117.65 v1(30.12,117.91) ; 36.92,106.18 v1(36.92,101.82)
PWM1: length 19.3
  Top w0.2: R1.1 21.4,114.61 21.4,118.77 U1.10
PWM2: length 19.8
  Top w0.2: U1.7 23.05,122.12 22.47,122.12 13.49,113.14 R2.1
PWM3: length 17.4
  Top w0.2: U1.2 22.56,126.51 22.56,130.59 17.22,135.92 R3.1
PWM4: length 12.1
  Top w0.2: U1.1 24.35,125.28 24.35,132.94 R4.1
PWM5: length 12.8
  Top w0.2: R5.1 28.48,135.77 28.48,126.98 U1.18 26.27,124.77
PWM6: length 16.1
  Top w0.2: R6.1 35.47,135.92 28.88,129.33 28.88,126.82 U1.17
PWM7: length 20
  Top w0.2: U1.16 26.8,123.96 37.62,113.14 R7.1
PWM8: length 19.3
  Top w0.2: U1.11 25.8,121.57 25.8,120.92 30.37,116.34 30.37,112.84 R8.1
Net-(D1-A): length 12
  Top w0.2: R1.2 13.1,106.32 13.1,102.73 13.92,101.91 D1.2 ; R1.2 12.97,106.18 8.75,106.18 7.84,107.09 D2.1 ; R1.2 13.08,106.3
Net-(D3-A): length 13
  Top w0.2: D3.2 4.3,113.92 ; 4.3,113.92 5.08,113.14 R2.2 ; 4.3,113.92 4.3,119.73 2.05,121.98 D4.1
Net-(D5-A): length 15.3
  Top w0.2: D5.2 3.59,128.91 7.77,133.09 7.77,136.58 D6.1 7.7,136.64 R3.2
Net-(D7-A): length 17.4
  Top w0.2: D8.1 21.48,137.48 R4.2 18.96,136.64 14.72,140.89 13.37,140.89 D7.2
Net-(D10-K): length 17.4
  Top w0.2: D10.1 36.73,140.98 35.45,140.98 31.11,136.64 R5.2 28.52,137.48 D9.2
Net-(D11-A): length 15.3
  Top w0.2: D12.1 46.41,128.91 42.25,133.07 42.25,136.6 D11.2 42.3,136.64 R6.2
Net-(D13-A): length 13
  Top w0.2: D13.2 47.94,121.98 45.68,119.72 45.68,113.94 ; 45.68,113.94 44.88,113.14 R7.2 ; 45.68,113.94 D14.1
Net-(D15-A): length 12
  Top w0.2: D15.2 42.16,107.09 41.25,106.18 37.03,106.18 R8.2 36.98,106.24 36.98,102.8 36.08,101.91 D16.1

## Copper pours and planes (outline as drawn; the poured copper is in the pictures)
GND on Top: -8.49,154.48 55.77,154.48 55.77,95.81 55.26,95.3 -8.74,95.3 -8.74,154.23
GND on Top, Bottom: 94.11,155.96 160.73,156.06 160.73,-8.83 -5.19,-10.11 -4.93,43.99
GND on Bottom: -7.47,156.26 53.74,156.26 53.74,93.27 53.23,92.76 -6.71,92.76 -7.22,93.27 -7.47,93.27

## Text on the board
B.Silkscreen: 3V | SWD | 2. apply solder paste, / reflow to thicken pad | 1. apply solder paste, stack internal board, reflow | to align use 1.0mm dia pins | github.com/eutectic6337/coin1
Top: E PLVRIBVS VNVM
F.Silkscreen: 4. apply solder paste, stack upper sandwich, reflow | 3. apply solder paste, / reflow to thicken pad | to align use 1.0mm dia pins | JLCJLCJLCJLC | SAO v1.69bis / CR1616 substitute
User.4: import rear (Inkscape) SVG scale 0.075 | import front SVG scale 0.157 | import QR SVG scale 0.2
